# Altium PCB MecaVac.PcbDoc (part 1 of 2)
Units mil, origin at the board's own origin, x right, y up, seen from the top; angles counter-clockwise.
Board outline 4725 x 3149.61 mil, 2 copper layers (Top Layer, Bottom Layer); 93 components, 53 nets, 288 pads, 60 vias.
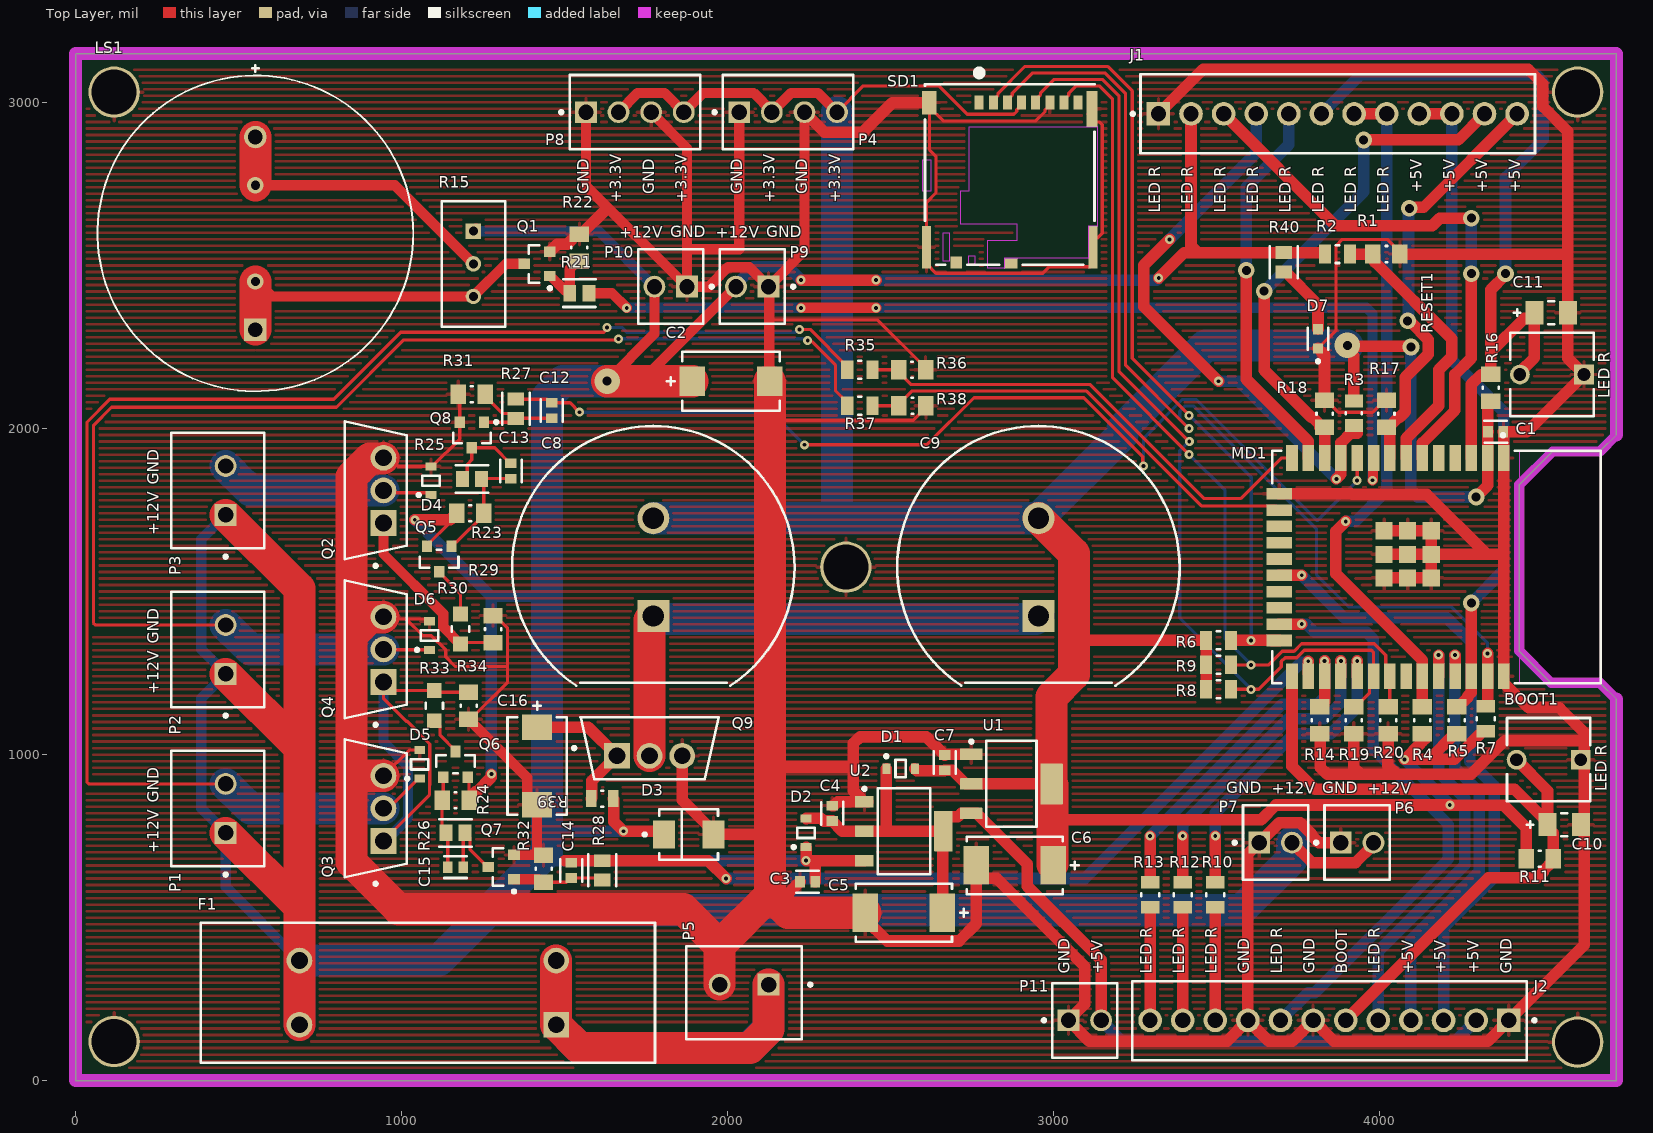
[diagram p0: Top Layer view]
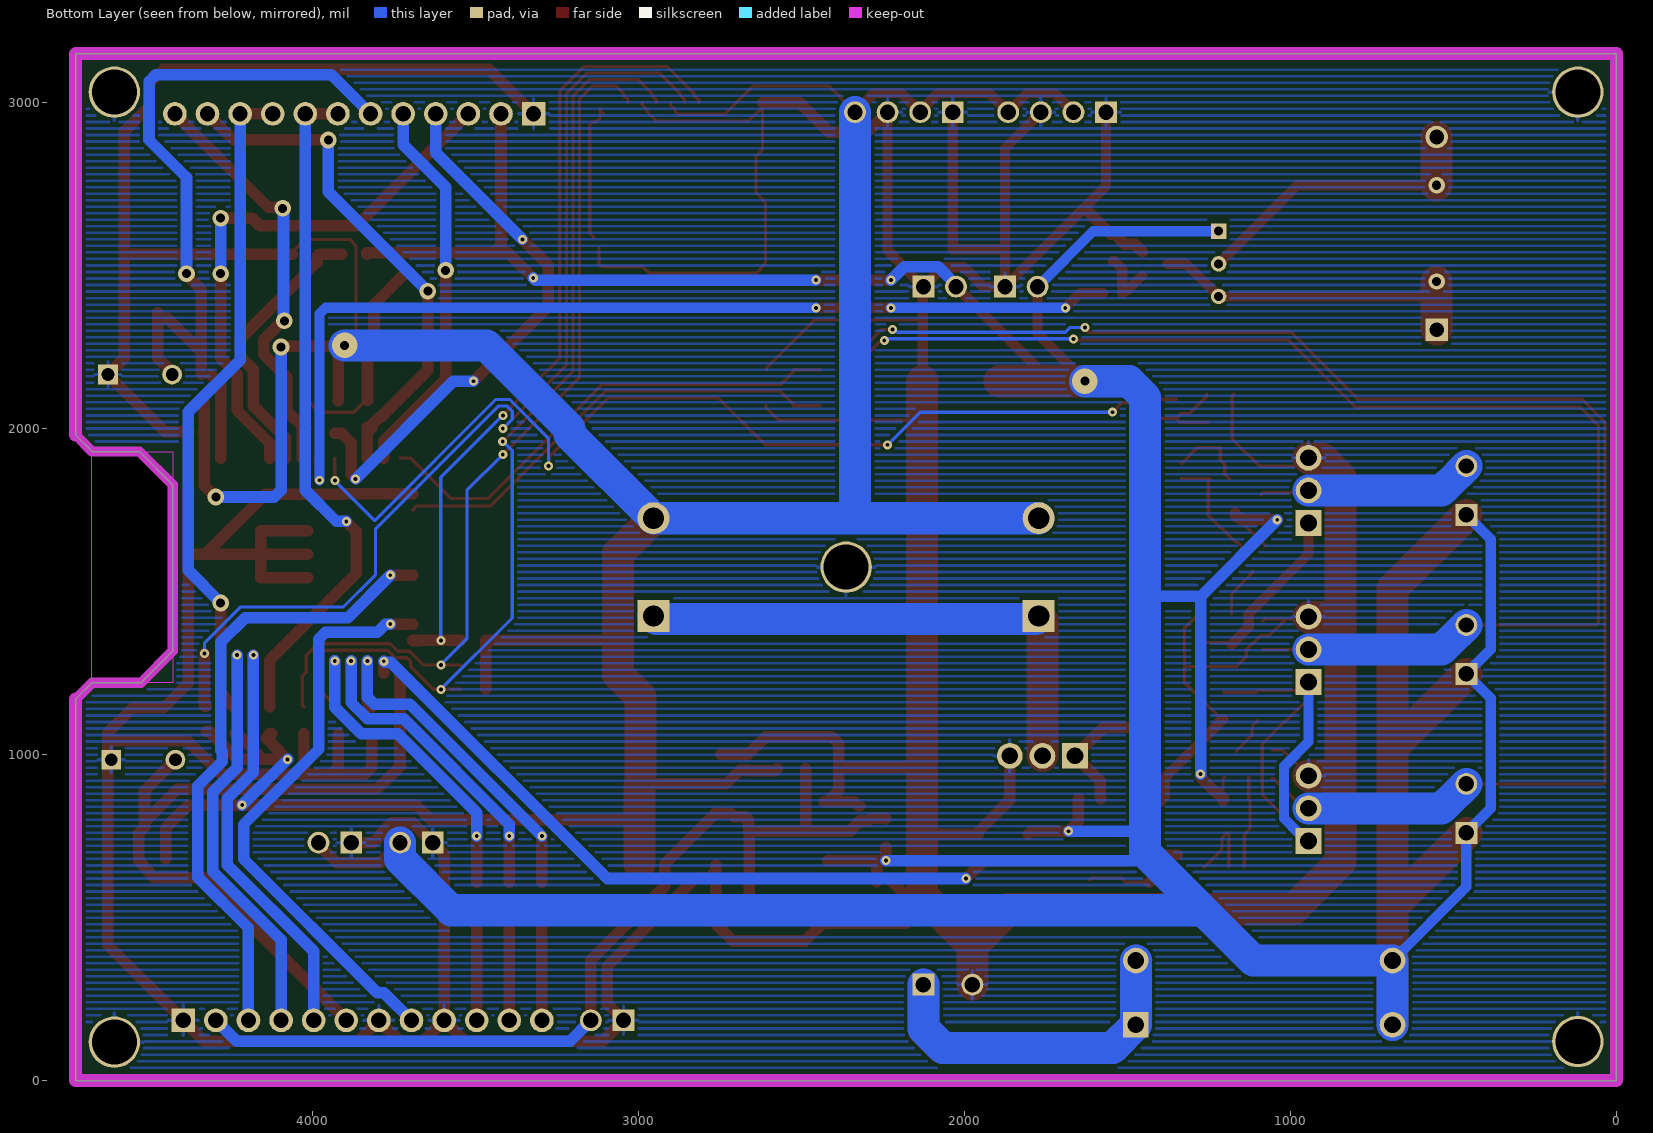
[diagram p1: Bottom Layer view, seen from below]
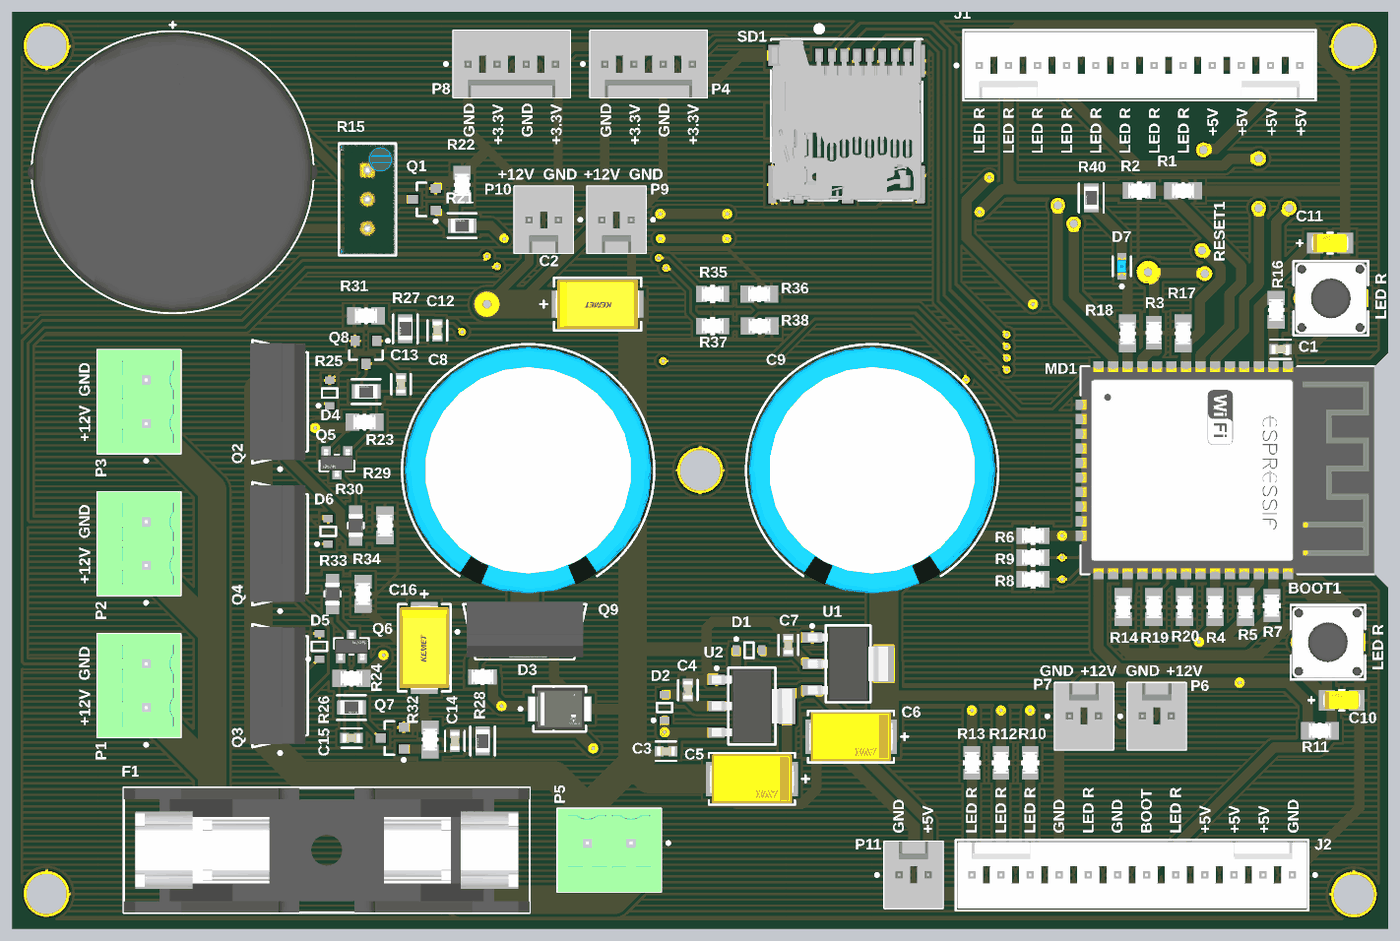
[diagram p3: 3D render of the assembled board from above, using the file's embedded part models]

## Layer stack, top to bottom
Top Solder: solder mask 0.4, Solder Resist, Dk 3.5
Top Layer: signal copper 1.4
Dielectric 1: dielectric 12.6, FR-4, Dk 4.8
Bottom Layer: signal copper 1.4
Bottom Solder: solder mask 0.4, Solder Resist, Dk 3.5

## Board outline
0,0 0,3149.61 4724.41,3149.61 4725,3149.02 4725,1980 4674.13,1929.13 4529.13,1929.13 4427.17,1827.17 4427.17,1317.83 4524.53,1220.47 4674.53,1220.47 4725,1170 4725,0.59 4724.41,0

## Design rules (kind name [scope] priority, off if disabled: settings)
Clearance [All] p1: gap=10 ignorepadtopadclearanceinfootprint=FALSE except(0: Arc-Hole Track-Hole SMDPad-Hole THPad-Hole Via-Hole Fill-Hole Poly-Hole Region-Hole Text-Hole)
PolygonConnect [All] p1: connectstyle=Relief reliefconductorwidth=10 reliefentries=4 polygonreliefangle="90 Angle" airgapwidth=10
RoutingVias [All] p1: holewidth=39.37 width=51.18 viastyle="Through Hole" minholewidth=11.81 minwidth=27.56 maxholewidth=27.56 maxwidth=78.74
SolderMaskExpansion [All] p1: expansion=4 istentingtop=FALSE
Width [All] p1: maxlimit=98.43 minlimit=10 preferedwidth=35.43 minimp=50.000000 maximp=50.000000 favimp=50.000000
30 further rules are at their usual default settings.

## Components (designator, comment, footprint, x,y, rotation, side; value= is the part's Value field where it differs from the comment)
BOOT1 "BOOT" FP-FSM4JRT-MFG 4517.56,984.25 r180 top
C1 "C0603C471J5GACTU" FP-C0603C-CF-MFG 4355,1990 r0 top value="470 pF"
C2 "T491D476K025AT" FP-T491D476K025AT-MFG 2010,2145 r180 top
C3 "C0603C471J5GACTU" FP-C0603C-CF-MFG 2245,610 r180 top value="470 pF"
C4 "C0603C471J5GACTU" FP-C0603C-CF-MFG 2320,820 r90 top value="470 pF"
C5 "47uF" FP-TAJD-MFG 2540,515 r0 top
C6 "47uF" FP-TAJD-MFG 2880,660 r0 top
C7 "C0603C471J5GACTU" FP-C0603C-CF-MFG 2665,975 r90 top value="470 pF"
C8 "Super Capacitor 1F 5.5V" FP-FR0H105ZF-MFG 1771.65,1574.8 r90 top value=1F
C9 "1F" FP-FR0H105ZF-MFG 2952.76,1574.8 r90 top
C10 "TAJA104K035RNJ" FP-TAJA-MFG 4565,785 r180 top
C11 "TAJA104K035RNJ" FP-TAJA-MFG 4525,2355 r180 top
C12 "C0603C471J5GACTU" FP-C0603C-CF-MFG 1460,2055 r270 top value="470 pF"
C13 "C0603C471J5GACTU" FP-C0603C-CF-MFG 1335,1870 r90 top value="470 pF"
C14 "C0603C471J5GACTU" FP-C0603C-CF-MFG 1520,645 r270 top value="470 pF"
C15 "C0603C471J5GACTU" FP-C0603C-CF-MFG 1165,655 r0 top value="470 pF"
C16 "T491D476K025AT" FP-T491D476K025AT-MFG 1415,965 r90 top
D1 "BAT54HT1G" ONSC-SOD-323-2-477-02_V 2530,956.95 r0 top
D2 "BAT54HT1G" ONSC-SOD-323-2-477-02_V 2240,760 r90 top
D3 "TVS-15V" FP-95401-MFG 1880,755 r0 top
D4 "BAT54HT1G" ONSC-SOD-323-2-477-02_V 1090,1840 r90 top
D5 "BAT54HT1G" ONSC-SOD-323-2-477-02_V 1055,970 r90 top
D6 "BAT54HT1G" ONSC-SOD-323-2-477-02_V 1085,1365 r90 top
D7 "LTST-C191TBKT" FP-LTST-C191TBKT-MFG 3810,2275 r90 top
F1 "0031.8231" FP-0031_8231-MFG 1080,270 r180 top
J1 "22-27-2121" FP-22-27-2121-MFG 3870.59,2965.79 r180 top
J2 "22-27-2121" FP-22-27-2121-MFG 3845,184.21 r0 top
LS1 "PKB24SPCH3601-B0" FP-PKB24SPCH3601-B0-MFG 551.18,2598.43 r90 top
MD1 "ESP32-WROOM-32D" FP-ESP32-WROOM-32D-MFG 4173.23,1574.8 r270 top
P1 "Peltier 1" PHOE-1803426_V 460,835 r90 top
P2 "Peltier 2" PHOE-1803426_V 460,1322.5 r90 top
P3 "Lâmpada" PHOE-1803426_V 460,1810 r90 top
P4 "22-27-2041" MOLX-22-27-2041_V 2185,2970 r180 top
P5 "Power" PHOE-1803426_V 2050,294.61 r180 top
P6 "22-27-2021" MOLX-22-27-2021_V 3930,730 r0 top
P7 "22-27-2021" MOLX-22-27-2021_V 3680,730 r0 top
P8 "22-27-2041" MOLX-22-27-2041_V 1715,2970 r180 top
P9 "22-27-2021" MOLX-22-27-2021_V 2075,2435 r180 top
P10 "22-27-2021" MOLX-22-27-2021_V 1825,2435 r180 top
P11 "22-27-2021" MOLX-22-27-2021_V 3095,185 r0 top
Q1 "BC846BLT1G" ONSC-SOT-23-3-318-08_V 1415,2505 r180 top
Q2 "IRF1404PBF" FP-PG-TO220-3-MFG 920,1810 r180 top
Q3 "IRF1404PBF" FP-PG-TO220-3-MFG 920,835 r180 top
Q4 "IRF1404PBF" FP-PG-TO220-3-MFG 920,1322.5 r180 top
Q5 "BC807-40-7-F" FP-SOT23-MFG 1115,1600 r270 top
Q6 "BC807-40-7-F" FP-SOT23-MFG 1165,970 r90 top
Q7 "BC846BLT1G" ONSC-SOT-23-3-318-08_V 1305,655 r180 top
Q8 "BC846BLT1G" ONSC-SOT-23-3-318-08_V 1215,1980 r270 top
Q9 "IRF1404PBF" FP-PG-TO220-3-MFG 1760,1020 r90 top
R1 "CRCW080510K0FKEA" FP-CRCW0805-e3-IPC_A 4020,2535 r0 top
R2 "CRCW0805100KFKEA" FP-CRCW0805-e3-MFG 3870,2535 r0 top
R3 "CRCW08054K70FKEA" FP-CRCW0805-e3-IPC_B 3920,2047.13 r270 top
R4 "CRCW080510K0FKEA" FP-CRCW0805-e3-IPC_A 4130,1105 r90 top
R5 "CRCW080510K0FKEA" FP-CRCW0805-e3-IPC_A 4235,1105 r90 top
R6 "CRCW080547K0FKEA" FP-CRCW0805-e3-MFG 3505,1350 r0 top
R7 "CRCW080547K0FKEA" FP-CRCW0805-e3-MFG 4325,1110 r90 top
R8 "CRCW080547K0FKEA" FP-CRCW0805-e3-MFG 3505,1200 r0 top
R9 "CRCW080547K0FKEA" FP-CRCW0805-e3-MFG 3505,1275 r0 top
R10 "CRCW0805220RFKEA" FP-CRCW0805-e3-MFG 3495,570 r270 top
R11 "CRCW080510K0FKEA" FP-CRCW0805-e3-IPC_A 4490,680 r180 top
R12 "CRCW0805220RFKEA" FP-CRCW0805-e3-MFG 3395,570 r270 top
R13 "CRCW0805220RFKEA" FP-CRCW0805-e3-MFG 3295,570 r270 top
R14 "CRCW080510K0FKEA" FP-CRCW0805-e3-IPC_A 3815,1105 r90 top
R15 "3296W-1-202LF" FP-3296W-MFG 1220,2505 r180 top
R16 "CRCW080510K0FKEA" FP-CRCW0805-e3-IPC_A 4340,2125 r270 top
R17 "CRCW080510K0FKEA" FP-CRCW0805-e3-IPC_A 4020,2045 r270 top
R18 "CRCW080510K0FKEA" FP-CRCW0805-e3-IPC_A 3830,2045 r270 top
R19 "CRCW080510K0FKEA" FP-CRCW0805-e3-IPC_A 3920,1105 r90 top
R20 "CRCW080510K0FKEA" FP-CRCW0805-e3-IPC_A 4025,1105 r90 top
R21 "ERA6AEB102V" FP-ERA6A-IPC_C 1545,2415 r180 top
R22 "CRCW080510K0FKEA" FP-CRCW0805-e3-IPC_A 1545,2555 r90 top
R23 "CRCW080510K0FKEA" FP-CRCW0805-e3-IPC_A 1210,1740 r0 top
R24 "CRCW080510K0FKEA" FP-CRCW0805-e3-IPC_A 1165,860 r180 top
R25 "ERA6AEB102V" FP-ERA6A-IPC_C 1215.44,1845 r180 top
R26 "ERA6AEB102V" FP-ERA6A-IPC_C 1165,760 r0 top
R27 "ERA6AEB102V" FP-ERA6A-IPC_C 1350,2060.44 r270 top
R28 "ERA6AEB102V" FP-ERA6A-IPC_C 1615,645 r270 top
R29 "CRCW080510K0FKEA" FP-CRCW0805-e3-IPC_A 1280,1385 r90 top
R30 "ERJ-6GEYJ151V" FP-ERJ6GE-MFG 1180,1385 r270 top value=150Ω
R31 "CRCW080510K0FKEA" FP-CRCW0805-e3-IPC_A 1215,2105 r0 top
R32 "CRCW080510K0FKEA" FP-CRCW0805-e3-IPC_A 1435,650 r270 top
R33 "ERJ-6GEYJ151V" FP-ERJ6GE-MFG 1100,1150 r90 top value=150Ω
R34 "CRCW080510K0FKEA" FP-CRCW0805-e3-IPC_A 1205,1150 r270 top
R35 "CRCW0805100KFKEA" FP-CRCW0805-e3-MFG 2405,2180 r0 top
R36 "CRCW080510K0FKEA" FP-CRCW0805-e3-IPC_A 2565,2180 r0 top
R37 "CRCW0805100KFKEA" FP-CRCW0805-e3-MFG 2405,2070 r0 top
R38 "CRCW080510K0FKEA" FP-CRCW0805-e3-IPC_A 2566.37,2070 r0 top
R39 "CRCW0805220KFKEA" FP-CRCW0805-e3-IPC_C 1615,865 r0 top
R40 "ERA6AEB102V" FP-ERA6A-IPC_C 3705,2510 r270 top
RESET1 "RESET" FP-FSM4JRT-MFG 4527.56,2165.35 r180 top
SD1 "503398-1892" MOLX-503398-1892_V 2864.7,2753.15 r0 top
U1 "LM1117IMP-3.3/NOPB" DCY0004A_N 2870,910 r0 top
U2 "LM1117MPX-5.0/NOPB" DCY0004A_L 2540,765 r0 top

## Footprints (in the part's own frame and the unit in brackets; to place one, negate y for a bottom-side part, rotate by r counter-clockwise, add the part's x,y. Pads: shape width x height; smd on the part's side, far side on the other; paste and mask are expansions set on the pad)
DCY0004A_L [mm] "SOT223, 4-Leads, Body 6.7x3.7mm, Pitch 2.3mm, IPC High Density"
  rrect11% 1.45x0.9 smd: 1(-3.075,2.3) 2(-3.075,0) 3(-3.075,-2.3)
  rrect7% 1.45x3.15 smd: 4(3.075,0)
  silkscreen extent -3.2,-3.35 2.05,3.42, body extent -3.5,-3.25 3.5,3.25, height 1.62
DCY0004A_N [mm] "SOT223, 4-Leads, Body 6.7x3.7mm, Pitch 2.3mm, IPC Medium Density"
  rrect11% 1.75x0.9 smd: 1(-3.125,2.3) 2(-3.125,0) 3(-3.125,-2.3)
  rrect6% 1.75x3.2 smd: 4(3.125,0)
  silkscreen extent -3.25,-3.35 1.95,3.42, body extent -3.5,-3.25 3.5,3.25, height 1.62
FP-22-27-2121-MFG [mm]
  rect 1.84x1.84 hole 1.19 paste-1000 mask+0: 1(13.97,0.02)
  round 1.84 hole 1.19 paste-1000 mask+0: 2(11.43,0.02) 3(8.89,0.02) 4(6.35,0.02) 5(3.81,0.02) 6(1.27,0.02) 7(-1.27,0.02) 8(-3.81,0.02) 9(-6.35,0.02) 10(-8.89,0.02) 11(-11.43,0.02) 12(-13.97,0.02)
  silkscreen extent -15.37,-3.08 16.09,3.08, body extent -15.47,-3.18 15.47,3.18, height 0.25
FP-0031_8231-MFG [mm]
  round 2 hole 1.3 paste-1000 mask+0: 1(-10,-2.5) 2(10,-2.5) 2(10,2.5)
  rect 2x2 hole 1.3 paste-1000 mask+0: 1(-10,2.5)
  silkscreen extent -17.7,-5.45 17.7,5.45, body extent -17.8,-5.55 17.8,5.55, height 0.25
FP-3296W-MFG [mm]
  rect 1.2x1.2 hole 0.7 paste-1000 mask+0: 1(0.005,-2.54)
  round 1.2 hole 0.7 paste-1000 mask+0: 2(0.005,0) 3(0.005,2.54)
  silkscreen extent -2.48,-4.89 2.48,4.89, body extent -2.58,-4.99 2.58,4.99, height 0.25
FP-95401-MFG [mil]
  rect 67.5x86 smd paste+0 mask+0: 1(-76.25,0) 2(76.25,0)
  silkscreen extent -140,-78 90,78, body extent -114,-81 114,81, height 10
FP-C0603C-CF-MFG [mm]
  rect 0.75x0.9 smd paste+0 mask+0: 1(-0.6,0) 2(0.6,0)
  silkscreen extent -0.87,-0.85 0.88,0.85, body extent -1.2,-0.6 1.2,0.6, height 0.25
FP-CRCW0805-e3-IPC_A [mil]
  rect 47.5x59.38 smd paste+0 mask+0: 1(-41.37,0) 2(41.37,0)
  silkscreen extent -3,-25 3,25, body extent -85,-49 85,49, height 10
FP-CRCW0805-e3-IPC_B [mil]
  rect 39.63x55.44 smd paste+0 mask+0: 1(-37.44,0) 2(37.44,0)
  silkscreen extent -3,-25 3,25, body extent -67,-38 67,38, height 10
FP-CRCW0805-e3-IPC_C [mil]
  rect 31.75x51.5 smd paste+0 mask+0: 1(-33.5,0) 2(33.5,0)
  silkscreen extent -3,-25 3,25, body extent -53,-31 53,31, height 10
FP-CRCW0805-e3-MFG [mm]
  rect 0.95x1.45 smd paste+0 mask+0: 1(-0.975,0) 2(0.975,0)
  silkscreen extent -0.13,-0.7 0.13,0.7, body extent -1.55,-0.82 1.55,0.82, height 0.25
FP-ERA6A-IPC_C [mil]
  rect 39.55x49.69 smd paste+0 mask+0: 1(-29.56,0) 2(29.56,0)
  silkscreen extent -49,-42 49,42, body extent -53,-31 53,31, height 10
FP-ERJ6GE-MFG [mm]
  rect 1.15x1.15 smd paste+0 mask+0: 1(-1.175,0) 2(1.175,0)
  silkscreen extent -0.23,-0.67 0.22,0.67, body extent -1.85,-0.77 1.85,0.77, height 0.25
FP-ESP32-WROOM-32D-MFG [mm]
  rect 2x0.9 smd paste+0 mask+0: 1(-8.5,5.26) 2(-8.5,3.99) 3(-8.5,2.72) 4(-8.5,1.45) 5(-8.5,0.18) 6(-8.5,-1.09) 7(-8.5,-2.36) 8(-8.5,-3.63) 9(-8.5,-4.9) 10(-8.5,-6.17) 11(-8.5,-7.44) 12(-8.5,-8.71) 13(-8.5,-9.98) 14(-8.5,-11.25) 25(8.5,-11.25) 26(8.5,-9.98) 27(8.5,-8.71) 28(8.5,-7.44) 29(8.5,-6.17) 30(8.5,-4.9) 31(8.5,-3.63) 32(8.5,-2.36) 33(8.5,-1.09) 34(8.5,0.18) 35(8.5,1.45) 36(8.5,2.72) 37(8.5,3.99) 38(8.5,5.26)
  rect 0.9x2 smd paste+0 mask+0: 15(-5.715,-12.25) 16(-4.445,-12.25) 17(-3.175,-12.25) 18(-1.905,-12.25) 19(-0.635,-12.25) 20(0.635,-12.25) 21(1.905,-12.25) 22(3.175,-12.25) 23(4.445,-12.25) 24(5.715,-12.25)
  rect 1.33x1.33 smd paste+0 mask+0: 39(-2.835,-0.405) 39(-2.835,-2.24) 39(-2.835,-4.075) 39(-1,-0.405) 39(-1,-2.24) 39(-1,-4.075) 39(0.835,-0.405) 39(0.835,-2.24) 39(0.835,-4.075)
  Keep-Out Layer region: -9,6.45 9,6.45 9,12.75 -9,12.75
  Keep-Out Layer region: -9,6.45 9,6.45 9,12.75 -9,12.75
  silkscreen extent -10.4,-12.8 9.05,12.8, body extent -9.6,-13.35 9.6,12.9, height 0.25
FP-FR0H105ZF-MFG [mm]
  rect 2.5x2.5 hole 1.65 paste-1000 mask+0: 1(-3.81,0)
  round 2.5 hole 1.65 paste-1000 mask+0: 2(3.81,0)
  silkscreen extent -9.23,-11 11,11, body extent -11.1,-11.1 11.1,11.1, height 0.25
FP-FSM4JRT-MFG [mil]
  rect 60.65x60.65 hole 39 paste-39370.1 mask+0: 1(-98.5,0)
  round 60.65 hole 39 paste-39370.1 mask+0: 2(98.5,0)
  silkscreen extent -128,-128 128,128, body extent -133,-132 133,132, height 10
FP-LTST-C191TBKT-MFG [mm]
  rect 0.8x0.8 smd paste+0 mask+0: 1(-0.75,0) 2(0.75,0)
  silkscreen extent -1.87,-0.8 0.85,0.8, body extent -1.25,-0.55 1.25,0.55, height 0.25
FP-PG-TO220-3-MFG [mm]
  rect 2x2 hole 1.3 paste-1000 mask+0: 1(-0.61,2.54)
  round 2 hole 1.3 paste-1000 mask+0: 2(-0.61,0) 3(-0.61,-2.54)
  silkscreen extent -2.41,-5.38 2.41,6, body extent -2.51,-5.6 2.51,5.6, height 0.25
FP-PKB24SPCH3601-B0-MFG [mm]
  rect 1.75x1.75 hole 1.15 paste-1000 mask+0: 1(-7.5,0)
  round 1.75 hole 1.15 paste-1000 mask+0: 2(7.5,0)
  silkscreen extent -12.3,-12.3 13.1,12.3, body extent -12.4,-12.4 12.4,12.4, height 0.25
FP-SOT23-MFG [mm]
  rect 0.9x0.8 smd paste+0 mask+0: 1(-1,0.95) 2(-1,-0.95) 3(1,0)
  silkscreen extent -0.7,-1.5 0.7,1.5, body extent -1.55,-1.6 1.55,1.6, height 0.25
FP-T491D476K025AT-MFG [mm]
  rect 1.99x2.33 smd paste+0 mask+0: 1(-3.01,0) 2(3.01,0)
  silkscreen extent -3.8,-2.3 5,2.3, body extent -4.13,-2.42 4.13,2.42, height 0.25
FP-TAJA-MFG [mm]
  rect 1.4x1.8 smd paste+0 mask+0: 1(-1.3,0) 2(1.3,0)
  silkscreen extent -0.23,-0.9 2.9,0.9, body extent -2.1,-1 2.1,1, height 0.25
FP-TAJD-MFG [mm]
  rect 2x3 smd paste+0 mask+0: 1(-3,0) 2(3,0)
  silkscreen extent -3.75,-2.25 4.97,2.25, body extent -4.1,-2.35 4.1,2.35, height 0.25
MOLX-22-27-2021_V [mm] "Header, 2-Leads, Body 5.8x5.08mm"
  rect 1.7x1.7 hole 1.19: 1(-1.27,0)
  round 1.7 hole 1.19: 2(1.27,0)
  silkscreen extent -3.31,-2.9 2.54,2.9, body extent -2.54,-2.9 2.54,2.9, height 11.72
MOLX-22-27-2041_V [mm] "CONN, 4-Leads, Body 10.16x5.8mm, Pitch 2.54mm"
  rect 1.7x1.7 hole 1.19: 1(3.81,0)
  round 1.7 hole 1.19: 2(1.27,0) 3(-1.27,0) 4(-3.81,0)
  silkscreen extent -5.08,-2.9 5.85,2.9, body extent -5.08,-2.9 5.08,2.9, height 11.7
MOLX-503398-1892_V [mm] "CONN, 8-Leads, Body 14.05x13.2mm, Pitch 1.1mm"
  rect 0.7x1.1 smd: 1(-2.38,6.27) 2(-1.28,6.27) 3(-0.18,6.27) 4(0.92,6.27) 5(2.02,6.27) 6(3.12,6.27) 7(4.22,6.27) 8(5.32,6.27)
  rect 1.05x0.78 smd: 9(0.095,-6.27)
  rect 0.9x0.93 smd: 10(-4.17,-6.195)
  rect 0.86x2.8 smd: 11(6.4,5.77)
  rect 0.7x3.3 smd: 12(6.48,-5.01) 13(-6.48,-5.01)
  rect 1.14x1.83 smd: 14(-6.26,6.255)
  Top Layer keep-out region: -6.83,-0.63 -6.13,-0.63 -6.13,1.77 -6.83,1.77
  Top Layer keep-out region: -5.235,-6.08 -4.685,-6.08 -4.685,-3.93 -5.235,-3.93
  Top Layer keep-out region: -3.22,-6.28 -2.67,-6.28 -2.67,-5.73 -3.22,-5.73
  Top Layer keep-out region: 6.83,4.37 6.83,-3.36 6.13,-3.36 6.13,-5.88 -0.43,-5.88 -0.43,-6.66 -1.73,-6.66 -1.73,-4.48 0.57,-4.48 0.57,-3.23 -3.82,-3.23 -3.82,-0.63 -3.17,-0.63 -3.17,4.37
  silkscreen extent -6.6,-6.38 6.6,8.82, body extent -6.55,-6.38 6.55,7.67, height 1.28
ONSC-SOD-323-2-477-02_V [mm] "SOD, 2-Leads, Body 1.7x1.25mm"
  rect 0.63x0.83 smd: 1(-1.115,0) 2(1.115,0)
  silkscreen extent -1.24,-0.67 0.4,1.09, body extent -0.85,-0.63 0.85,0.63, height 1.06
ONSC-SOT-23-3-318-08_V [mm] "SOT23, 3-Leads, Body 2.92x1.3mm, Pitch 0.95mm"
  rect 0.9x0.8 smd: 1(-1,0.95) 2(-1,-0.95) 3(1,0)
  silkscreen extent -1.13,-1.46 0.65,2.02, body extent -0.65,-1.46 0.65,1.46, height 1.11
PHOE-1803426_V [mm] "THD, 2-Leads, Body 9.01x7.25mm, Pitch 3.81mm"
  rect 1.7x1.7 hole 1.2: 1(-1.905,0)
  round 1.7 hole 1.2: 2(1.905,0)
  silkscreen extent -5.28,-3 4.5,4.25, body extent -4.5,-3 4.51,4.25, height 9.2
